# Altium PCB RF-BPF.PcbDoc (part 3 of 3)
Units mm, origin at the board's own origin, x right, y up, seen from the top; angles counter-clockwise.
Board outline 170 x 77.5 mm, 2 copper layers (Top Layer, Top, Bottom Layer, Bottom), stack 1.671 mm thick; 222 components, 128 nets, 706 pads, 1611 vias.
Unrouted connection lines stored in the file: 29.
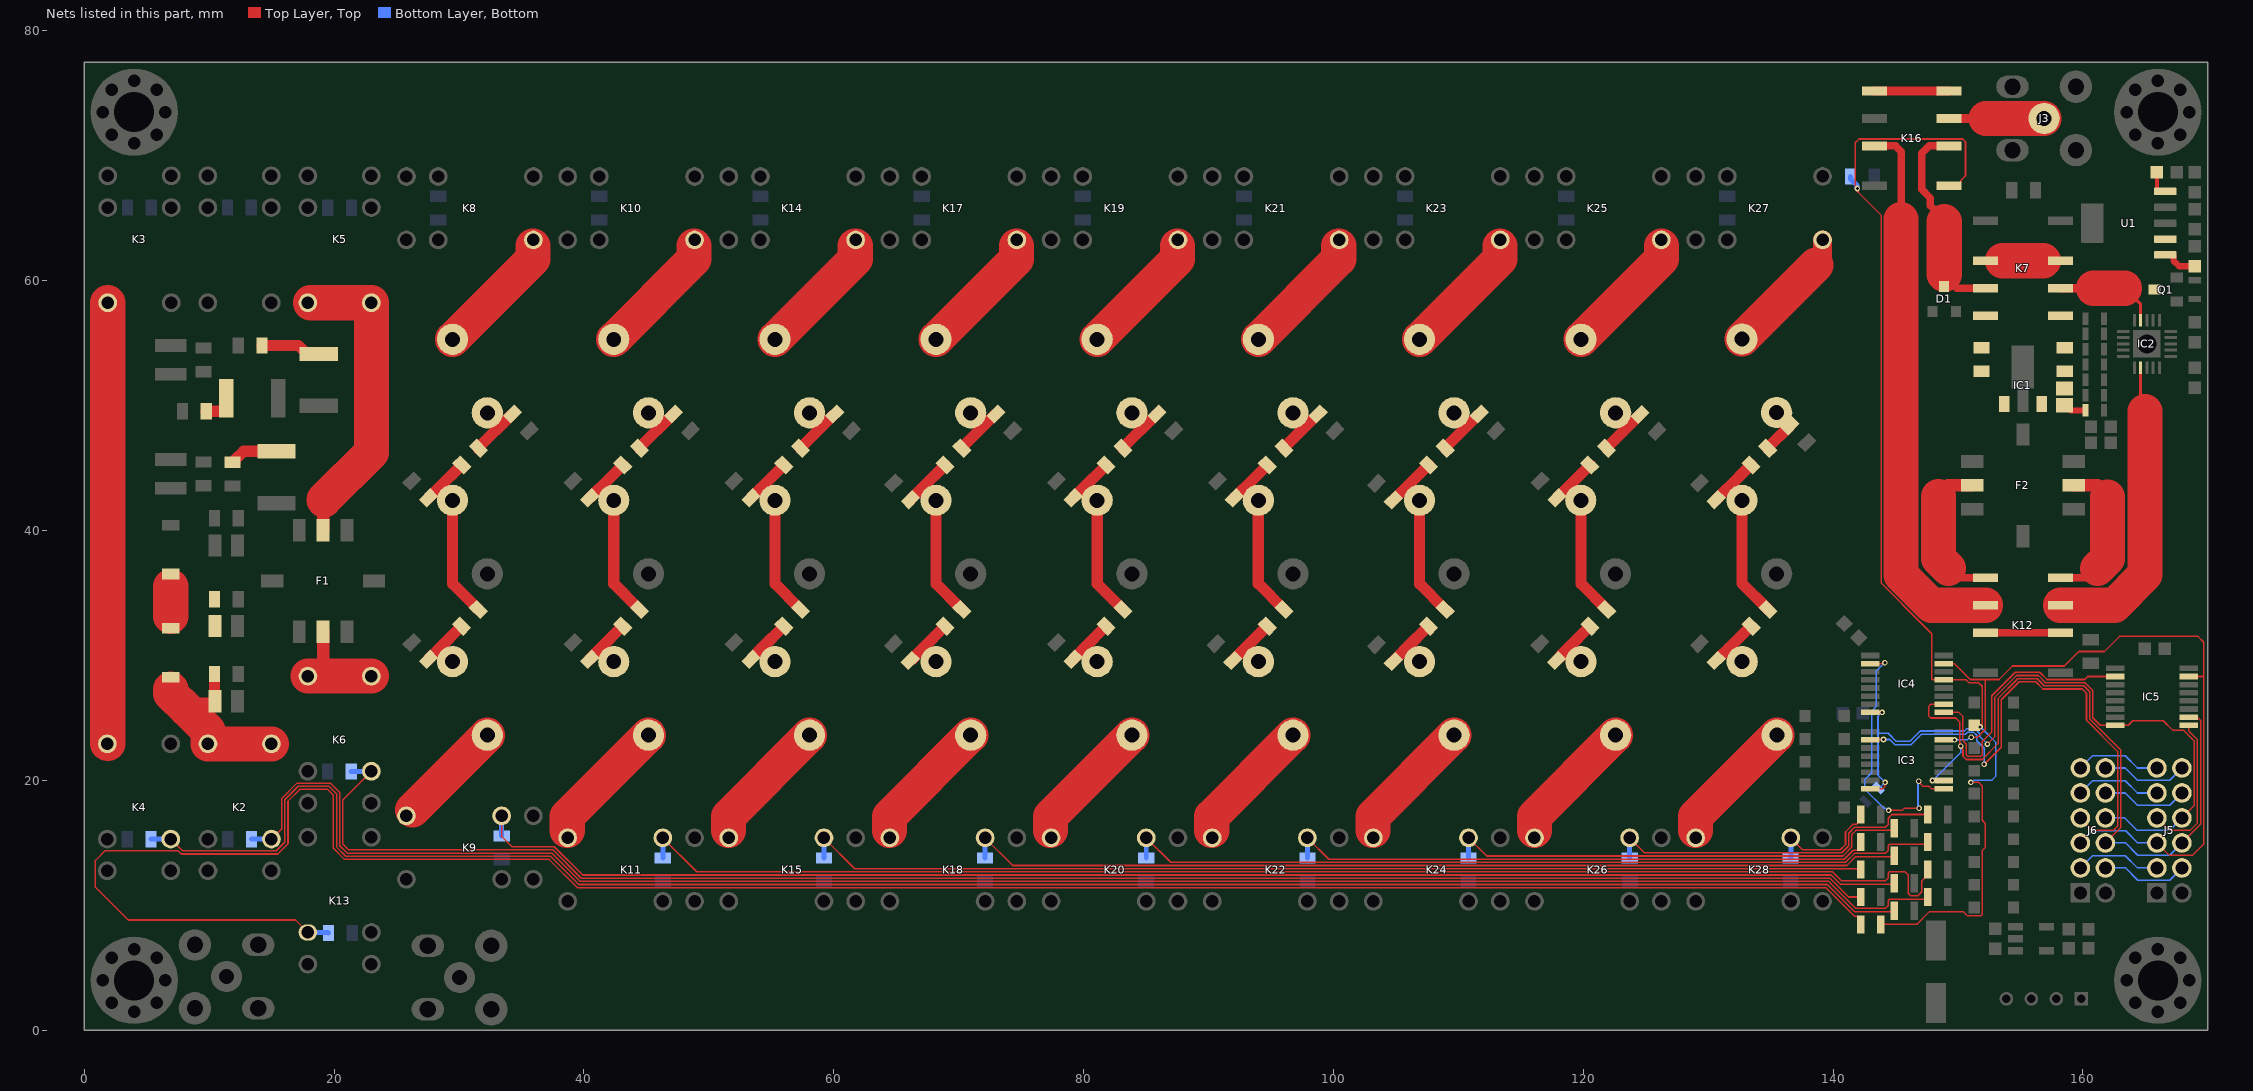
[diagram p3: the nets of this part, all layers, seen from the top]

## Via types
v1: diameter 0.45, hole 0.25, Top Layer, Top to Bottom Layer, Bottom, tented both sides, 1611 vias

## Nets (pads, with @x,y where several pads share a name; then routed paths per layer and width w, separated by ;. In a path a pad name is that pad's centre, name@x,y a point inside that pad or via, vN(x,y) a via of type N, cw(c..) or ccw(c..) an arc to the next point about the centre after c; other vN are vias at no path point) (continued)
NetC3_2: C3.2 C4.1 C11.1 L7.2 | length 2.4
  Top Layer, Top w2.814: 6.925,33.15 6.925,35.525
NetC4_2: C4.2 C12.1 K2.5 K2.6 L8.2 | length 15.3
  Top Layer, Top w0.9: 8.212,25.688 8.725,26.2 L8.2@10.49,26.2 ; L8.2@10.425,26.4 C12.1@10.425,28.525
  Top Layer, Top w2.814: 6.925,27.3 6.925,26.975 8.212,25.688 9.91,23.99 K2.6@9.91,22.93 K2.5@14.99,22.93
NetC5_1: C5.1 L3.2 | length 4.8
  Top Layer, Top w0.9: C5.1@14.225,54.825 17.145,54.825 17.82,54.15 L3.2@18.775,54.15
NetC6_1: C6.1 L4.2 | length 2.6
  Top Layer, Top w0.9: C6.1@9.775,49.55 11.255,49.55 11.375,49.67 L4.2@11.375,50.6
NetC7_1: C7.1 L5.2 | length 4
  Top Layer, Top w0.9: C7.1@11.875,45.475 12.075,45.475 12.075,45.675 12.75,46.35 L5.2@15.4,46.35
NetC9_1: C9.1 K2.2 L9.2 | length 144.7
  Top Layer, Top w0.127: K2.2@14.99,15.31 15.805,16.125 15.805,18.561 17.038,19.794 19.701,19.794 20.458,19.038 20.458,14.783 21.05,14.19 37.428,14.19 39.695,11.923 139.4,11.924 139.645,11.923 141.809,9.76 144.179,9.76 144.41,9.99 144.41,10.379 144.521,10.49 147.415,10.49 L9.2@147.6,10.675
  Bottom Layer, Bottom w0.4: C9.1@13.4,15.3 13.41,15.31 K2.2@14.99,15.31
NetC14_1: C14.1 K4.2 L10.2 | length 150.8
  Top Layer, Top w0.127: K4.2@6.93,15.31 7.871,14.369 15.38,14.369 16.059,15.049 16.059,18.456 17.143,19.54 17.915,19.54 19.596,19.54 20.204,18.933 20.204,14.678 20.945,13.936 37.323,13.936 39.59,11.669 139.54,11.669 141.704,9.506 144.831,9.506 L10.2@144.9,9.575
  Bottom Layer, Bottom w0.4: C14.1@5.35,15.3 5.36,15.31 K4.2@6.93,15.31
NetC15_1: C15.1 K7.4
NetC15_2: C15.2 IC1.1
NetC17_1: C17.1 K6.2 L12.2 | length 132.4
  Top Layer, Top w0.127: K6.2@22.99,20.735 20.712,18.457 20.712,14.888 21.156,14.444 37.533,14.444 39.8,12.178 139.75,12.178 141.253,10.675 L12.2@142.2,10.675 142.2,11.1 L12.2@141.964,11.337
  Bottom Layer, Bottom w0.4: C17.1@21.375,20.725 21.385,20.735 K6.2@22.99,20.735
NetC18_1: C18.1 K7.5
NetC18_2: C18.2 IC1.3 L11.1
NetC21_1: C21.1 C25.1 L13.2 | length 3.8
  Top Layer, Top w0.9: C21.1@31.529,46.602 C25.1@34.224,49.297
NetC21_2: C21.2 C22.1 C28.1 L15.2 | length 14.8
  Top Layer, Top w0.9: C28.1@27.572,42.628 28.285,43.342 ; 28.298,43.329 C21.2@30.226,45.256 ; 28.447,43.477 L15.2@29.492,42.432 29.492,35.756 C22.1@31.552,33.697
NetC22_2: C22.2 C26.1 L14.1 | length 5.3
  Top Layer, Top w0.9: C26.1@27.522,29.653 27.572,29.703 27.915,30.047 27.915,30.06 28.477,30.623 ; L14.1@29.492,29.509 29.492,29.608 28.477,30.623 ; C22.2@30.208,32.353 28.477,30.623
NetC27_1: C27.1 K9.2 L16.2 | length 116.3
  Top Layer, Top w0.127: K9.2@33.415,17.165 33.415,15.535 34.252,14.698 37.639,14.698 39.905,12.432 139.855,12.432 140.581,11.705 144.83,11.705 L16.2@144.9,11.775
  Bottom Layer, Bottom w0.4: K9.2@33.415,17.165 33.415,15.56 C27.1@33.425,15.55
NetC29_1: C29.1 C32.1 L17.2 | length 3.8
  Top Layer, Top w0.9: C29.1@44.429,46.602 C32.1@47.124,49.297
NetC29_2: C29.2 C30.1 C35.1 L19.2 | length 14.8
  Top Layer, Top w0.9: C35.1@40.472,42.628 41.185,43.342 ; 41.198,43.329 C29.2@43.126,45.256 ; 41.347,43.477 L19.2@42.392,42.432 42.392,35.756 C30.1@44.452,33.697
NetC30_2: C30.2 C33.1 L18.1 | length 5.3
  Top Layer, Top w0.9: C33.1@40.463,29.708 41.377,30.623 ; L18.1@42.392,29.509 42.392,29.608 41.377,30.623 ; C30.2@43.108,32.353 41.377,30.623
NetC34_1: C34.1 K11.2 L20.2 | length 108.1
  Top Layer, Top w0.127: K11.2@46.32,15.404 49.038,12.686 139.961,12.686 140.687,11.959 144.179,11.959 144.41,12.19 144.41,12.579 144.521,12.691 145.759,12.691 146.01,12.44 146.01,10.971 146.206,10.775 146.794,10.775 147.11,11.09 147.11,11.959 147.6,12.45 L20.2@147.6,12.875
  Bottom Layer, Bottom w0.4: C34.1@46.32,13.8 K11.2@46.32,15.404
NetC36_1: C36.1 C42.1 L21.2 | length 3.8
  Top Layer, Top w0.9: C36.1@57.329,46.602 C42.1@60.024,49.297
NetC36_2: C36.2 C37.1 C46.1 L24.2 | length 14.8
  Top Layer, Top w0.9: C46.1@53.372,42.628 54.085,43.342 ; 54.098,43.329 C36.2@56.026,45.256 ; 54.247,43.477 L24.2@55.292,42.432 55.292,35.756 C37.1@57.352,33.697
NetC37_2: C37.2 C43.1 L22.1 | length 5
  Top Layer, Top w0.9: C43.1@53.541,29.886 54.277,30.623 ; L22.1@55.292,29.509 55.292,29.608 54.277,30.623 ; C37.2@56.008,32.353 54.277,30.623
NetC39_1: C39.1 K13.9 L23.2 | length 175.4
  Top Layer, Top w0.127: K13.9@17.91,7.835 16.917,8.828 3.533,8.828 0.9,11.461 0.9,13.6 1.667,14.367 7.513,14.367 7.765,14.115 15.485,14.115 16.313,14.943 16.313,18.351 17.248,19.286 19.491,19.286 19.95,18.827 19.95,14.572 20.84,13.682 37.218,13.682 39.485,11.415 139.435,11.415 140.867,9.983 141.598,9.252 141.714,9.136 141.964,9.136 142.2,8.9 L23.2@142.2,8.475
  Bottom Layer, Bottom w0.4: K13.9@17.91,7.835 19.515,7.835 C39.1@19.55,7.8
NetC44_1: C44.1 K15.2 L25.2 | length 86.4
  Top Layer, Top w0.127: K15.2@59.22,15.404 61.684,12.939 142.135,12.939 L25.2@142.2,12.875 142.2,13.3 L25.2@141.964,13.536
  Bottom Layer, Bottom w0.4: C44.1@59.22,13.8 K15.2@59.22,15.404
NetC48_1: C48.1 C51.1 L26.2 | length 3.8
  Top Layer, Top w0.9: C48.1@70.229,46.602 C51.1@72.924,49.297
NetC48_2: C48.2 C49.1 C54.1 L28.2 | length 15
  Top Layer, Top w0.9: C54.1@66.147,42.478 66.998,43.329 ; 66.998,43.329 C48.2@68.926,45.256 ; 67.147,43.477 L28.2@68.192,42.432 68.192,35.756 C49.1@70.252,33.697
NetC49_2: C49.2 C52.1 L27.1 | length 5.3
  Top Layer, Top w0.9: C52.1@66.3,29.7 66.441,29.841 66.441,29.886 67.177,30.623 ; L27.1@68.192,29.509 68.192,29.608 67.177,30.623 ; C49.2@68.908,32.353 67.177,30.623
NetC53_1: C53.1 K18.2 L29.2 | length 75.6
  Top Layer, Top w0.127: K18.2@72.12,15.404 74.33,13.193 141.108,13.193 141.82,13.906 144.831,13.906 L29.2@144.9,13.975
  Bottom Layer, Bottom w0.4: C53.1@72.12,13.8 K18.2@72.12,15.404
NetC56_1: C56.1 C59.1 L30.2 | length 3.8
  Top Layer, Top w0.9: C56.1@83.129,46.602 C59.1@85.824,49.297
NetC56_2: C56.2 C57.1 C62.1 L32.2 | length 14.8
  Top Layer, Top w0.9: C62.1@79.172,42.628 79.885,43.342 ; 79.898,43.329 C56.2@81.826,45.256 ; 80.047,43.477 L32.2@81.092,42.432 81.092,35.756 C57.1@83.152,33.697
NetC57_2: C57.2 C60.1 L31.1 | length 5.3
  Top Layer, Top w0.9: C60.1@79.172,29.703 79.515,30.047 79.515,30.06 80.077,30.623 ; L31.1@81.092,29.509 81.092,29.608 80.077,30.623 ; C57.2@81.808,32.353 80.077,30.623
NetC61_1: C61.1 K20.2 L33.2 | length 65.9
  Top Layer, Top w0.127: K20.2@85.02,15.404 86.976,13.447 141.003,13.447 141.715,14.16 143.421,14.16 144.179,14.159 144.41,14.39 144.41,14.779 144.521,14.89 147.415,14.89 L33.2@147.6,15.075
  Bottom Layer, Bottom w0.4: C61.1@85.02,13.8 K20.2@85.02,15.404
NetC64_1: C64.1 C67.1 L34.2 | length 3.8
  Top Layer, Top w0.9: C64.1@96.029,46.602 C67.1@98.724,49.297
NetC64_2: C64.2 C65.1 C70.1 L36.2 | length 14.8
  Top Layer, Top w0.9: C70.1@92.072,42.628 92.785,43.342 ; 92.798,43.329 C64.2@94.726,45.256 ; 92.947,43.477 L36.2@93.992,42.432 93.992,35.756 C65.1@96.052,33.697
NetC65_2: C65.2 C68.1 L35.1 | length 5.4
  Top Layer, Top w0.9: C68.1@91.947,29.603 92.966,30.623 92.977,30.623 ; L35.1@93.992,29.509 93.992,29.608 92.977,30.623 ; C65.2@94.708,32.353 92.977,30.623
NetC69_1: C69.1 K22.2 L37.2 | length 47.8
  Top Layer, Top w0.127: K22.2@97.92,15.404 99.622,13.701 140.897,13.701 141.609,14.414 141.964,14.414 142.2,14.65 L37.2@142.2,15.075 L37.2@142.2,15.5
  Bottom Layer, Bottom w0.4: C69.1@97.92,13.8 K22.2@97.92,15.404
NetC72_2: C72.2 Q1.3 U1.1 U1.2 | length 3
  Top Layer, Top w0.5: U1.1@166.6,62.07 167.2,62.07 167.25,62.02 167.25,61.625 167.7,61.175 C72.2@168.95,61.175
NetC73_2: C73.2 U1.5 | length 2.1
  Top Layer, Top w0.3: C73.2@165.925,68.7 165.925,67.3 166.075,67.15 U1.5@166.6,67.15
NetC76_1: C76.1 C80.1 L38.2 | length 3.9
  Top Layer, Top w0.9: C76.1@108.929,46.602 C80.1@111.624,49.297 ; L38.2@109.668,49.357 L38.2@109.668,49.433
NetC76_2: C76.2 C77.1 C83.1 L40.2 | length 14.8
  Top Layer, Top w0.9: C83.1@104.972,42.628 105.685,43.342 ; 105.698,43.329 C76.2@107.626,45.256 ; 105.847,43.477 L40.2@106.892,42.432 106.892,35.756 C77.1@108.952,33.697
NetC77_2: C77.2 C81.1 L39.1 | length 5.5
  Top Layer, Top w0.9: C81.1@104.797,29.528 105.29,30.022 105.29,30.047 105.315,30.047 105.315,30.06 105.877,30.623 ; L39.1@106.892,29.509 106.892,29.608 105.877,30.623 ; C77.2@107.608,32.353 105.877,30.623
NetC82_1: C82.1 K24.2 L41.2 | length 37.8
  Top Layer, Top w0.127: K24.2@110.82,15.404 112.269,13.955 139.275,13.956 140.792,13.955 141.503,14.666 141.503,15.672 141.831,16 144.725,16 L41.2@144.9,16.175
  Bottom Layer, Bottom w0.4: C82.1@110.82,13.8 K24.2@110.82,15.404
NetC87_1: C87.1 C90.1 L42.2 | length 3.9
  Top Layer, Top w0.9: C87.1@121.863,46.597 121.858,46.602 C90.1@124.553,49.297 ; L42.2@122.597,49.357 L42.2@122.597,49.433
NetC87_2: C87.2 C88.1 C93.1 L44.2 | length 14.8
  Top Layer, Top w0.9: C93.1@117.901,42.628 118.614,43.342 ; 118.627,43.329 C87.2@120.555,45.256 ; 118.776,43.477 119.821,42.432 119.821,35.756 C88.1@121.881,33.697
NetC88_2: C88.2 C91.1 L43.1 | length 5.4
  Top Layer, Top w0.9: C91.1@117.872,29.603 118.244,29.976 118.244,30.06 118.806,30.623 ; L43.1@119.821,29.509 119.821,29.608 118.806,30.623 ; C88.2@120.537,32.353 118.806,30.623
NetC92_1: C92.1 K26.2 L45.2 | length 28.1
  Top Layer, Top w0.127: K26.2@123.72,15.404 124.914,14.209 140.687,14.209 141.249,14.771 141.249,15.777 141.725,16.254 144.179,16.254 144.41,16.484 144.41,16.979 144.706,17.275 L45.2@147.6,17.275
  Bottom Layer, Bottom w0.4: C92.1@123.72,13.8 K26.2@123.72,15.404
NetC94_1: C94.1 C97.1 L46.2 | length 4.1
  Top Layer, Top w0.9: C94.1@134.771,46.596 134.761,46.605 C97.1@136.553,48.397 ; L46.2@135.485,49.451 135.485,49.375 C97.1@136.518,48.343
NetC94_2: C94.2 C95.1 C100.1 L48.2 | length 15
  Top Layer, Top w0.9: C100.1@130.647,42.478 130.789,42.621 130.789,42.646 131.503,43.359 ; 131.516,43.346 C94.2@133.443,45.273 ; 131.665,43.495 132.71,42.45 132.71,35.774 C95.1@134.769,33.714
NetC95_2: C95.2 C98.1 L47.1 | length 5.1
  Top Layer, Top w0.9: C98.1@130.959,29.904 131.695,30.64 ; L47.1@132.728,29.509 132.71,29.527 132.71,29.625 131.695,30.64 ; C95.2@133.444,32.353 133.426,32.371 131.695,30.64
NetC99_1: C99.1 K28.2 L49.2 | length 9.6
  Top Layer, Top w0.127: K28.2@136.62,15.404 137.56,14.463 140.582,14.463 140.995,14.877 140.995,15.883 141.62,16.508 141.889,16.508 141.964,16.582 141.964,17.039 L49.2@142.2,17.275
  Bottom Layer, Bottom w0.4: C99.1@136.6,13.8 136.62,13.82 K28.2@136.62,15.404
NetD1_3: D1.3 K7.3 K16.2 | length 14.7
  Top Layer, Top w0.6: 148.9,65.513 148.312,65.513 147.8,66.025 147.8,66.613 147.1,67.312 147.1,70.2 147.7,70.8 K16.2@149.3,70.8 ; 149.9,59.4 K7.3@152.2,59.4
  Top Layer, Top w2.814: 148.9,60.525 148.9,64.725
NetF1_2: F1.2 K5.5 K5.6 | length 24.7
  Top Layer, Top w1: F1.2@19.125,40.04 19.125,42.4 19.2,42.475
  Top Layer, Top w2.814: K5.5@18.125,58.245 K5.6@22.99,58.245 22.99,46.265 19.2,42.475
NetF1_6: F1.6 K6.5 K6.6 | length 9.1
  Top Layer, Top w1: K6.6@17.91,28.355 19.125,29.57 F1.6@19.125,31.91
  Top Layer, Top w2.814: K6.6@17.91,28.355 K6.5@22.99,28.355
NetF2_2: F2.2 K12.5 | length 10.8
  Top Layer, Top w0.6: 149.602,36.595 149.972,36.225 K12.5@152.2,36.225
  Top Layer, Top w1: 149.2,43.625 F2.2@151.135,43.625
  Top Layer, Top w2.814: 148.441,42.725 148.441,37.756 149.231,36.966
NetF2_6: F2.6 K12.4 | length 12.4
  Top Layer, Top w0.6: K12.4@158.2,36.225 160.428,36.225 161.959,37.756
  Top Layer, Top w1: F2.6@159.265,43.625 161.2,43.625
  Top Layer, Top w2.814: 161.169,36.966 161.959,37.756 161.959,42.7
NetIC2_2: IC2.2 K12.3 | length 24.5
  Top Layer, Top w0.254: IC2.2@164.625,53.05 164.625,49.9 164.975,49.55
  Top Layer, Top w2.814: K12.3@158.2,34.025 162.525,34.025 164.975,36.475 164.975,49.55
NetIC2_14: IC2.14 K7.6 | length 8.2
  Top Layer, Top w0.254: 163.325,59.4 163.352,59.4 164.625,58.127 IC2.14@164.625,56.85
  Top Layer, Top w0.7: K7.6@158.2,59.4 160.85,59.4
  Top Layer, Top w2.814: 160.85,59.4 163.325,59.4
NetIC3_9: IC3.9 IC4.2 | length 21.6
  Top Layer, Top w0.127: IC4.2@142.99,29.35 143.99,29.35 144.063,29.423 v1(144.15,29.423) ; v1(144.452,17.604) 145.556,17.604 145.726,17.775 v1(146.892,17.775) ; v1(146.864,19.936) 146.864,19.873 147.208,19.529 147.67,19.53 147.85,19.35 IC3.9@148.86,19.35
  Bottom Layer, Bottom w0.127: v1(144.15,29.423) 144.116,29.423 143.473,28.78 143.473,25.945 143.092,25.564 143.092,20.615 142.525,20.048 142.525,19.325 144.079,17.771 144.216,17.771 144.383,17.604 v1(144.452,17.604) ; v1(146.864,19.936) 146.802,19.874 146.802,17.865 v1(146.892,17.775)
NetIC4_9: IC4.9 IC5.2 | length 22.3
  Top Layer, Top w0.127: IC4.9@148.86,25.45 150.075,25.45 150.396,25.129 150.396,23.179 150.659,22.916 150.659,22.046 150.771,21.935 151.829,21.935 151.94,22.046 151.94,23.122 152.702,23.884 152.702,26.784 154.576,28.658 156.548,28.658 157.121,28.084 160.159,28.084 160.4,28.325 IC5.2@162.59,28.325
NetJ3_5: J3.5 K16.3 | length 7.6
  Top Layer, Top w0.7: K16.3@149.3,73 152.25,73
  Top Layer, Top w2.814: 152.25,73 J3.5@156.9,73
NetK3_5: K3.5 K4.6 | length 35.3
  Top Layer, Top w2.814: K4.6@1.885,22.965 K3.5@1.885,58.245
NetK7_2: K7.2 K7.7 | length 3.2
  Top Layer, Top w2.814: 153.575,61.6 156.05,61.6 156.825,61.6
NetK8_5: K8.5 L13.1 | length 10.1
  Top Layer, Top w2.814: L13.1@29.492,55.32 35.926,61.754 K8.5@35.926,62.8
NetK9_5: K9.5 L14.2 | length 8.5
  Top Layer, Top w2.814: K9.5@26.272,17.628 L14.2@32.268,23.623
NetK10_5: K10.5 L17.1 | length 10.1
  Top Layer, Top w2.814: L17.1@42.392,55.32 48.826,61.754 K10.5@48.826,62.8
NetK11_5: K11.5 L18.2 | length 10.3
  Top Layer, Top w2.814: K11.5@38.665,16 38.665,17.12 L18.2@45.168,23.623
NetK12_2: K12.2 K12.7 | length 6
  Top Layer, Top w0.6: K12.7@152.2,31.825 K12.2@158.2,31.825
NetK12_6: K12.6 K16.7 | length 44
  Top Layer, Top w0.6: K16.7@143.3,70.8 145,70.8 145.216,70.584 145.45,70.35 145.45,64.9
  Top Layer, Top w2.814: 145.45,64.9 145.45,36.468 147.893,34.025 K12.6@152.2,34.025
NetK14_5: K14.5 L21.1 | length 10.1
  Top Layer, Top w2.814: L21.1@55.292,55.32 61.726,61.754 K14.5@61.726,62.8
NetK15_5: K15.5 L22.2 | length 10.3
  Top Layer, Top w2.814: K15.5@51.565,16 51.565,17.12 L22.2@58.068,23.623
NetK16_4: K16.4 K16.5 | length 6
  Top Layer, Top w0.7: K16.5@143.3,75.2 K16.4@149.3,75.2
NetK17_5: K17.5 L26.1 | length 10.1
  Top Layer, Top w2.814: L26.1@68.192,55.32 74.626,61.754 K17.5@74.626,62.8
NetK18_5: K18.5 L27.2 | length 10.3
  Top Layer, Top w2.814: K18.5@64.465,16 64.465,17.12 L27.2@70.968,23.623
NetK19_5: K19.5 L30.1 | length 10.1
  Top Layer, Top w2.814: L30.1@81.092,55.32 87.526,61.754 K19.5@87.526,62.8
NetK20_5: K20.5 L31.2 | length 10.3
  Top Layer, Top w2.814: K20.5@77.365,16 77.365,17.12 L31.2@83.868,23.623
NetK21_5: K21.5 L34.1 | length 10.1
  Top Layer, Top w2.814: L34.1@93.992,55.32 100.426,61.754 K21.5@100.426,62.8
NetK22_5: K22.5 L35.2 | length 10.3
  Top Layer, Top w2.814: K22.5@90.265,16 90.265,17.12 L35.2@96.768,23.623
NetK23_5: K23.5 L38.1 | length 10.1
  Top Layer, Top w2.814: L38.1@106.892,55.32 113.326,61.754 K23.5@113.326,62.8
NetK24_5: K24.5 L39.2 | length 10.3
  Top Layer, Top w2.814: K24.5@103.165,16 103.165,17.12 L39.2@109.668,23.623
NetK25_5: K25.5 L42.1 | length 10.1
  Top Layer, Top w2.814: L42.1@119.821,55.32 126.255,61.754 K25.5@126.255,62.8
NetK26_5: K26.5 L43.2 | length 10.3
  Top Layer, Top w2.814: K26.5@116.093,16 116.093,17.12 L43.2@122.597,23.623
NetK27_5: K27.5 L46.1 | length 10.6
  Top Layer, Top w1.5: 138.624,61.251 139.16,61.788 K27.5@139.16,63.274
  Top Layer, Top w2.814: L46.1@132.71,55.337 138.624,61.251
NetK28_5: K28.5 L47.2 | length 10.3
  Top Layer, Top w2.814: K28.5@129,16 129,17.12 L47.2@135.503,23.623
NetL11_2: L11.2 R1.1 | length 1.8
  Top Layer, Top w0.5: L11.2@158.525,50.024 158.626,50.024 159.025,49.625 R1.1@160.2,49.625
RFUNT_ALC: J5.11 J6.11 | length 6.9
  Bottom Layer, Bottom w0.127: J6.11@159.8,21 160.778,21.978 163.397,21.978 164.375,21 J5.11@165.925,21
RFUNT_CLK: IC3.15 IC4.15 IC5.15 J5.5 J6.5 | length 59.5
  Top Layer, Top w0.127: IC3.15@148.86,23.25 v1(149.727,23.25) ; IC4.15@148.86,29.35 149.725,29.35 150.991,28.084 152.2,28.084 ; v1(151.066,23.456) 151.556,23.456 152.194,24.094 152.194,28.079 152.2,28.084 ; J5.5@165.925,15 166.925,14 168.762,14 169.675,14.913 169.675,28.325 ; IC5.15@168.46,28.325 169.675,28.325 ; 152.2,28.084 153.284,28.084 154.366,29.166 158.503,29.166 159.663,30.325 161.722,30.325 162.932,31.534 169.216,31.534 169.675,31.075 169.675,28.325
  Bottom Layer, Bottom w0.127: v1(149.727,23.25) 150.772,23.25 150.978,23.456 v1(151.066,23.456) ; J6.5@159.8,15 160.778,15.978 163.422,15.978 164.4,15 J5.5@165.925,15
RFUNT_DATA_IN: IC3.2 J6.7 | length 40.5
  Top Layer, Top w0.127: IC3.2@142.99,23.25 143.022,23.282 v1(144.034,23.282) ; v1(152.099,21.299) 153.464,22.665 153.464,26.459 154.901,27.896 156.232,27.896 156.805,27.322 159.959,27.322 160.291,26.991 160.291,24.816 162.778,22.329 162.778,16.337 162.441,16 160.8,16 J6.7@159.8,17
  Bottom Layer, Bottom w0.127: v1(144.034,23.282) 144.543,23.282 144.95,22.875 146.25,22.875 147.077,23.702 150.611,23.702 150.784,23.875 151.25,23.875 151.5,23.625 151.5,23.175 152.101,22.574 152.101,21.301 v1(152.099,21.299)
RFUNT_DATA_OUT: IC5.9 J5.7 | length 12
  Top Layer, Top w0.127: J5.7@165.925,17 166.925,16 168.566,16 169.167,16.601 169.167,23.267 168.46,23.974 IC5.9@168.46,24.425
RFUNT_OE: IC3.8 IC4.8 IC5.8 J5.8 J6.8 R2.1 | length 57.2
  Top Layer, Top w0.127: IC3.8@142.99,19.35 143.997,19.35 144.136,19.488 144.136,19.819 v1(144.164,19.848) ; v1(152.356,22.913) 152.956,23.514 152.956,26.675 154.685,28.404 156.443,28.404 157.016,27.83 160.17,27.83 160.799,27.201 160.799,25.026 161.4,24.425 163.631,24.425 163.997,24.79 166.435,24.79 167.216,24.009 168.066,24.009 168.206,23.869 168.913,23.162 168.913,17.988 J5.8@167.925,17
  Top Layer, Top w0.3: IC4.8@142.99,25.45 v1(143.925,25.45)
  Bottom Layer, Bottom w0.127: R2.1@143.645,19.395 143.711,19.395 v1(144.164,19.848) 143.6,20.412 143.6,23.775 ; v1(143.925,25.45) 143.6,25.125 143.6,23.775 ; v1(152.356,22.913) 151.754,23.515 151.754,23.73 151.355,24.129 150.679,24.129 150.51,23.959 146.975,23.959 146.145,23.129 145.055,23.129 144.409,23.775 143.6,23.775 ; J6.8@161.8,17 163.35,17 164.328,16.022 166.947,16.022 J5.8@167.925,17
RFUNT_RCLK: IC3.10 IC4.10 IC5.10 J5.6 J6.6 | length 59.8
  Top Layer, Top w0.127: v1(147.95,20) IC3.10@148.86,20 ; IC4.10@148.86,26.1 147.825,26.1 147.65,25.925 147.65,25.175 147.825,25 149.825,25 150.142,24.683 150.142,23.074 150.163,23.053 150.163,22.812 v1(150.225,22.75) 150.225,22.695 150.405,22.514 150.405,21.941 150.666,21.681 151.934,21.681 153.21,22.957 153.21,26.57 154.79,28.15 156.338,28.15 156.911,27.576 160.064,27.576 160.545,27.096 160.545,24.921 163.032,22.434 163.032,16.232 J6.6@161.8,15 ; J5.6@167.925,15 169.421,16.496 169.421,24.829 169.175,25.075 IC5.10@168.46,25.075
  Bottom Layer, Bottom w0.127: v1(147.95,20) 147.978,20 150.225,22.247 v1(150.225,22.75) ; J6.6@161.8,15 163.425,15 164.403,14.022 166.947,14.022 J5.6@167.925,15
RFUNT_THERM: J5.12 J6.12 | length 6.9
  Bottom Layer, Bottom w0.127: J6.12@161.8,21 163.4,21 164.378,20.022 166.947,20.022 J5.12@167.925,21
SWR_BACKW: J5.9 J6.9 | length 6.9
  Bottom Layer, Bottom w0.127: J6.9@159.8,19 160.778,19.978 163.397,19.978 164.375,19 J5.9@165.925,19
SWR_FORW: J5.10 J6.10 | length 6.9
  Bottom Layer, Bottom w0.127: J6.10@161.8,19 163.4,19 164.378,18.022 166.947,18.022 J5.10@167.925,19
TX: C40.1 D14.2 IC4.13 K16.1 L23.1 | length 95.2
  Top Layer, Top w0.127: L23.1@143.8,8.475 146.694,8.475 147.725,9.506 150.425,9.506 150.648,9.283 150.771,9.159 151.829,9.159 151.941,9.271 151.941,14.387 152.194,14.641 152.194,16.565 151.94,16.819 151.94,19.56 151.65,19.85 v1(151.037,19.85) ; K16.1@149.3,67.6 149.946,67.6 150.233,67.887 150.233,68.033 150.6,68.4 150.6,71.125 150.375,71.35 142.072,71.35 141.779,71.057 141.779,67.627 141.948,67.458 v1(141.948,67.391) 142.001,67.338 142.001,67.11 143.848,65.263 143.848,64.752 143.853,64.747 143.853,35.807 147.232,32.428 147.904,31.755 147.904,28.131 147.985,28.05 IC4.13@148.86,28.05 150.666,28.05 150.733,27.983 150.885,27.83 151.645,27.83 151.94,27.535 151.94,24.542 151.779,24.38 v1(151.779,24.293) ; D14.2@151.3,24.425 151.622,24.425 v1@151.754,24.293
  Bottom Layer, Bottom w0.127: v1(151.037,19.85) 151.088,19.85 151.272,20.034 152.724,20.034 153.041,20.351 153.041,23.031 v1(151.779,24.293)
  Bottom Layer, Bottom w0.4: C40.1@141.4,68.35 141.4,68.15 141.925,67.625 141.925,67.427 141.948,67.404 v1(141.948,67.391)
WM8731_SCK: J5.3 J6.3 | length 6.9
  Bottom Layer, Bottom w0.127: J6.3@159.8,13 160.778,13.978 163.397,13.978 164.375,13 J5.3@165.925,13
WM8731_SDA: J5.4 J6.4 | length 6.9
  Bottom Layer, Bottom w0.127: J6.4@161.8,13 163.425,13 164.403,12.022 166.947,12.022 J5.4@167.925,13
pads on no net: IC4.14 IC5.13 IC5.14 IC6.4 K3.6 K4.5 K8.6 K9.6 K10.6 K11.6 K13.5 K14.6 K15.6 K17.6 K18.6 K19.6 K20.6 K21.6 K22.6 K23.6 K24.6 K25.6 K26.6 K27.6 K28.6

## Polygon pours and split planes (outlines as drawn)
GND on Top Layer, Top "GND_L01_P001" (solid, remove dead copper, pour order 1): 0,0 0,77.5 170,77.5 170,0
GND on Bottom Layer, Bottom "GND_L02_P000" (solid, remove dead copper, pour order 0): 0,0 0,77.5 170,77.5 170,0

## Keep-outs
Keep-Out Layer:
  the board outline again, w0.254

## Other copper
Top Layer, Top:
  rectangle net NetK12_6: 144.05,64.7 146.85,66.325
  rectangle net NetD1_3: 147.5,64.7 150.3,66.325
  rectangle net NetC3_2: 5.525,31.725 10.875,34.539
  rectangle net NetC4_2: 5.525,27.1 8.325,28.725
  region net NetC3_2: 8.325,33.35 5.525,33.35 5.525,31.725 8.325,31.725
  rectangle net NetC3_2: 5.525,35.325 8.325,36.95
  rectangle net NetC1_1: 5.525,51.425 8.325,53.05
  region net NetC1_1: 8.325,46.8 5.525,46.8 5.525,45.175 8.325,45.175
  rectangle net NetC2_1: 5.525,42.3 8.325,43.925
  region net NetC2_1: 8.325,41.625 5.525,41.625 5.525,40 8.325,40
  rectangle net NetC1_2: 5.65,54.175 12.775,56.989
  rectangle net +12V: 154,2.525 156.125,6.675
  rectangle net NetIC2_2: 163.575,49.35 164.75,52.4
  rectangle net BPF_OUT: 47.46,9.575 50.26,11.2
  rectangle net BPF_OUT: 60.36,9.575 63.16,11.2
  rectangle net BPF_OUT: 73.26,9.575 76.06,11.2
  rectangle net BPF_OUT: 86.16,9.575 88.96,11.2
  rectangle net BPF_OUT: 99.06,9.575 101.86,11.2
  rectangle net BPF_OUT: 111.96,9.575 114.76,11.2
  rectangle net BPF_OUT: 124.86,9.575 127.66,11.2
  rectangle net +12V: 152.5,7.975 155.2,10.3
  rectangle net +12V: 154.025,0.65 155.2,6.675
  rectangle net +12V: 147.45,0.65 156.925,3.775
  rectangle net +12V: 167.025,59.35 169.675,60.3
  rectangle net +5V: 161.45,46.525 162.75,50.125
  rectangle net NetIC2_2: 163.575,49.35 166.375,50.975
  rectangle net GND: 165.125,54.325 167.525,55.075
  rectangle net GND: 165,51.485 165.75,54.95
  rectangle net NetC18_2: 156.425,49.5 157.15,53.2
  region net NetC18_2: 159.225,53.2 156.425,53.2 156.425,50.8 159.225,50.8
  region net NetIC2_14: 163.125,60.8 163.125,58 164.75,58 164.75,60.8
  region net NetC15_1: 154,57.55 151.186,57.55 151.186,54.2 154,54.2
  rectangle net NetC15_2: 151.2,49.525 154,53.2
  region net NetC18_1: 159.2,57.55 156.386,57.55 156.386,54.2 159.2,54.2
  rectangle net NetK16_4: 142.3,73.8 150.3,76.614
  region net NetD1_3: 150.3,60.725 147.5,60.725 147.5,59.1 150.3,59.1
  region net NetK15_5: 52.965,16.2 50.165,16.2 50.165,14.575 52.965,14.575
  region net NetK18_5: 65.865,16.2 63.065,16.2 63.065,14.575 65.865,14.575
  region net NetK20_5: 78.765,16.2 75.965,16.2 75.965,14.575 78.765,14.575
  region net NetK22_5: 91.665,16.2 88.865,16.2 88.865,14.575 91.665,14.575
  region net NetK24_5: 104.565,16.2 101.765,16.2 101.765,14.575 104.565,14.575
  region net NetK26_5: 117.493,16.2 114.693,16.2 114.693,14.575 117.493,14.575
  region net NetK28_5: 130.4,16.2 127.6,16.2 127.6,14.575 130.4,14.575
  region net NetC1_2: 10.098,56.845 10.098,59.645 8.473,59.645 8.473,56.845
  region net NetC1_2: 14.777,59.645 14.777,56.845 16.402,56.845 16.402,59.645
  region net BPF_IN: 8.365,68.605 5.565,68.605 5.565,66.98 8.365,66.98
  region net BPF_IN: 16.378,68.605 13.578,68.605 13.578,66.98 16.378,66.98
  region net BPF_IN: 40.1,68.55 37.3,68.55 37.3,66.925 40.1,66.925
  rectangle net NetK8_5: 34.526,62.6 37.326,64.225
  rectangle net NetK10_5: 47.426,62.6 50.226,64.225
  rectangle net NetK14_5: 60.326,62.6 63.126,64.225
  region net BPF_IN: 53,68.55 50.2,68.55 50.2,66.925 53,66.925
  region net BPF_IN: 65.9,68.55 63.1,68.55 63.1,66.925 65.9,66.925
  region net BPF_IN: 78.8,68.55 76,68.55 76,66.925 78.8,66.925
  rectangle net NetK17_5: 73.226,62.6 76.026,64.225
  rectangle net NetK19_5: 86.126,62.6 88.926,64.225
  rectangle net NetK21_5: 99.026,62.6 101.826,64.225
  region net BPF_IN: 91.7,68.55 88.9,68.55 88.9,66.925 91.7,66.925
  region net BPF_IN: 104.6,68.554 101.8,68.554 101.8,66.929 104.6,66.929
  region net BPF_IN: 117.495,69.2 114.695,69.2 114.695,67.575 117.495,67.575
  region net BPF_IN: 130.4,69.2 127.6,69.2 127.6,67.575 130.4,67.575
  rectangle net NetK23_5: 111.926,62.6 114.726,64.225
  rectangle net NetK25_5: 124.855,62.6 127.655,64.225
  rectangle net NetF2_2: 147.05,42.525 149.85,44.15
  rectangle net NetF2_6: 160.55,42.5 163.35,44.125
  region net NetK12_6: 152,35.425 152,32.625 153.625,32.625 153.625,35.425
  region net NetIC2_2: 158.4,32.625 158.4,35.425 156.775,35.425 156.775,32.625
  region net GND: 148.125,29.775 148.125,30.621 cw(c148.462,30.525) 148.462,30.875 149.288,30.875 cw(c149.287,30.575) 149.587,30.575 149.587,29.775
  region net GND: 148.112,23.675 148.112,24.425 cw(c148.462,24.425) 148.462,24.775 149.288,24.775 cw(c149.287,24.475) 149.587,24.475 149.587,23.675
  region net NetC94_1: 135.576,47.43 137.501,49.355 136.064,50.793 134.914,50.793 134.139,50.018 134.139,48.868
  pour cut-out: 4.425,57.6 5.9,57.6 5.9,56.989 4.436,56.989 4.425,57
  region net NetC95_2: 132.637,31.53 130.712,29.605 132.149,28.168 133.299,28.168 134.074,28.943 134.074,30.093
  region net NetC88_2: 119.73,31.53 117.805,29.605 119.243,28.168 120.393,28.168 121.168,28.943 121.168,30.093
  region net NetC77_2: 106.801,31.53 104.876,29.605 106.314,28.168 107.464,28.168 108.239,28.943 108.239,30.093
  region net NetC65_2: 93.901,31.53 91.976,29.605 93.414,28.168 94.564,28.168 95.339,28.943 95.339,30.093
  region net NetC57_2: 81.001,31.53 79.076,29.605 80.514,28.168 81.664,28.168 82.439,28.943 82.439,30.093
  region net NetC49_2: 68.101,31.53 66.176,29.605 67.614,28.168 68.764,28.168 69.539,28.943 69.539,30.093
  region net NetC37_2: 55.201,31.53 53.276,29.605 54.714,28.168 55.864,28.168 56.639,28.943 56.639,30.093
  region net NetC30_2: 42.301,31.53 40.376,29.605 41.814,28.168 42.964,28.168 43.739,28.943 43.739,30.093
  region net NetC22_2: 29.401,31.53 27.476,29.605 28.914,28.168 30.064,28.168 30.839,28.943 30.839,30.093
  region net NetC21_2: 29.401,44.453 27.476,42.528 28.914,41.09 30.064,41.09 30.839,41.865 30.839,43.015
  region net NetC29_2: 42.301,44.453 40.376,42.528 41.814,41.09 42.964,41.09 43.739,41.865 43.739,43.015
  region net NetC36_2: 55.201,44.453 53.276,42.528 54.714,41.09 55.864,41.09 56.639,41.865 56.639,43.015
  region net NetC48_2: 68.101,44.453 66.176,42.528 67.614,41.09 68.764,41.09 69.539,41.865 69.539,43.015
  region net NetC56_2: 81.001,44.453 79.076,42.528 80.514,41.09 81.664,41.09 82.439,41.865 82.439,43.015
  region net NetC94_2: 132.619,44.471 130.694,42.546 132.132,41.108 133.282,41.108 134.057,41.883 134.057,43.033
  region net NetC87_2: 119.712,44.453 117.787,42.528 119.225,41.09 120.375,41.09 121.15,41.865 121.15,43.015
  region net NetC76_2: 106.801,44.453 104.876,42.528 106.314,41.09 107.464,41.09 108.239,41.865 108.239,43.015
  region net NetC64_2: 93.901,44.453 91.976,42.528 93.414,41.09 94.564,41.09 95.339,41.865 95.339,43.015
  region net NetC21_1: 32.359,47.412 34.284,49.337 32.846,50.775 31.696,50.775 30.921,50 30.921,48.85
  region net NetC29_1: 45.259,47.412 47.184,49.337 45.746,50.775 44.596,50.775 43.821,50 43.821,48.85
  region net NetC36_1: 58.159,47.412 60.084,49.337 58.646,50.775 57.496,50.775 56.721,50 56.721,48.85
  region net NetC48_1: 71.059,47.412 72.984,49.337 71.546,50.775 70.396,50.775 69.621,50 69.621,48.85
  region net NetC56_1: 83.959,47.412 85.884,49.337 84.446,50.775 83.296,50.775 82.521,50 82.521,48.85
  region net NetC64_1: 96.859,47.412 98.784,49.337 97.346,50.775 96.196,50.775 95.421,50 95.421,48.85
  region net NetC76_1: 109.759,47.412 111.684,49.337 110.246,50.775 109.096,50.775 108.321,50 108.321,48.85
  region net NetC87_1: 122.687,47.412 124.612,49.337 123.175,50.775 122.025,50.775 121.25,50 121.25,48.85
  region net NetC72_2: 165.25,58.9 165.25,63.5 165.4,63.65 167.475,63.65 167.5,63.625 167.5,61.875 167.375,61.75 166.6,60.975 166.6,58.9
  region net +3.3V: 166,52.55 169.35,52.55 169.35,55.575 166.525,55.575 166.525,55.325 167.625,55.325 167.9,55.05 167.9,54.35 167.625,54.075 166.775,54.075 166,53.3
  region net GND: 165,57.35 169.3,57.35 169.35,57.3 169.35,55.875 169.3,55.825 165.05,55.825 165,55.875
Bottom Layer, Bottom:
  region net GND: 168.5,57.625 168.65,57.775 168.65,60.775 168.506,60.919 160.288,60.919 158.756,59.387 158.756,58.063 159.195,57.625
  region net GND: 0.825,76.85 0.25,76.471 0.25,0.675 0.286,0.639 0.825,0.639
  region net GND: 163.575,54.15 163.575,55.05 164.225,55.7 166.275,55.7 166.425,55.55 166.425,54.15

## Silkscreen, mask and mechanical layers (free items; w line width, h text height)
Top Overlay:
  drawing of 3269 lines, arcs and shapes, not listed
  text "144-146" at 7.315,74.31 h3
  text "30-55" at 27.537,74.31 h3
  text "20-30" at 40.446,74.31 h3
  text "15-20" at 53.419,74.31 h3
  text "12.5-15" at 65.174,74.31 h3
  text "7.5-12.5" at 77.651,74.31 h3
  text "6-7.5" at 92.418,74.31 h3
  text "4-6" at 106.413,74.31 h3
  text "2.5-4" at 118.179,74.31 h3
  text "1.6-2.5" at 130.047,74.31 h3
  text "44+" at 18.391,74.293 h3
  text "MHz" at 9.45,71.675 h3
  text "MHz" at 17.95,71.675 h3
  text "MHz" at 28.243,71.675 h3
  text "MHz" at 41.143,71.675 h3
  text "MHz" at 54.043,71.675 h3
  text "MHz" at 66.943,71.675 h3
  text "MHz" at 79.843,71.675 h3
  text "MHz" at 92.743,71.675 h3
  text "MHz" at 105.643,71.675 h3
  text "MHz" at 118.538,71.675 h3
  text "MHz" at 131.443,71.675 h3
  text "RF" at 157.7,66.725 h3
  text "ATT" at 159.5,58.425 h3
  text "LZ1HAA" at 142.925,58 h2 r90
  text "LNA" at 149.887,49.85 h3 r90
  text "RF-BPF_rev1.0.0" at 146.183,45.575 h2.5 r90
  text "WOLF" at 143.8,45.25 h5 r90
  text "HPF" at 18.075,42.6 h3
  text "BPF OFF" at 2.846,35.025 h3 r90
  text "LPF 70 MHz" at 163.79,31.125 h3 r90
  text "144-146" at 6.825,8.885 h3
  text "30-55" at 27.532,8.585 h3
  text "20-30" at 40.446,5.11 h3
  text "15-20" at 53.419,5.11 h3
  text "12.5-15" at 65.174,5.11 h3
  text "7.5-12.5" at 77.651,5.11 h3
  text "6-7.5" at 92.418,5.11 h3
  text "4-6" at 106.413,5.11 h3
  text "2.5-4" at 118.184,5.11 h3
  text "1.6-2.5" at 130.05,5.11 h3
  text "MHz" at 41.143,2.475 h3
  text "MHz" at 54.043,2.475 h3
  text "MHz" at 66.943,2.475 h3
  text "MHz" at 79.843,2.475 h3
  text "MHz" at 92.743,2.475 h3
  text "MHz" at 105.643,2.475 h3
  text "MHz" at 118.543,2.475 h3
  text "MHz" at 131.45,2.475 h3
  text "DAC" at 15.7,0.357 h3
  text "ADC" at 34.225,0.357 h3

## Dimensions
166,73.5 to 166,4 on Mechanical 1
4,73.5 to 166,73.5 on Mechanical 1
170,77.5 to 0,77.5 on Mechanical 1
170,77.5 to 170,0 on Mechanical 1